# KiCad board hologram v3.kicad_pcb (continued)
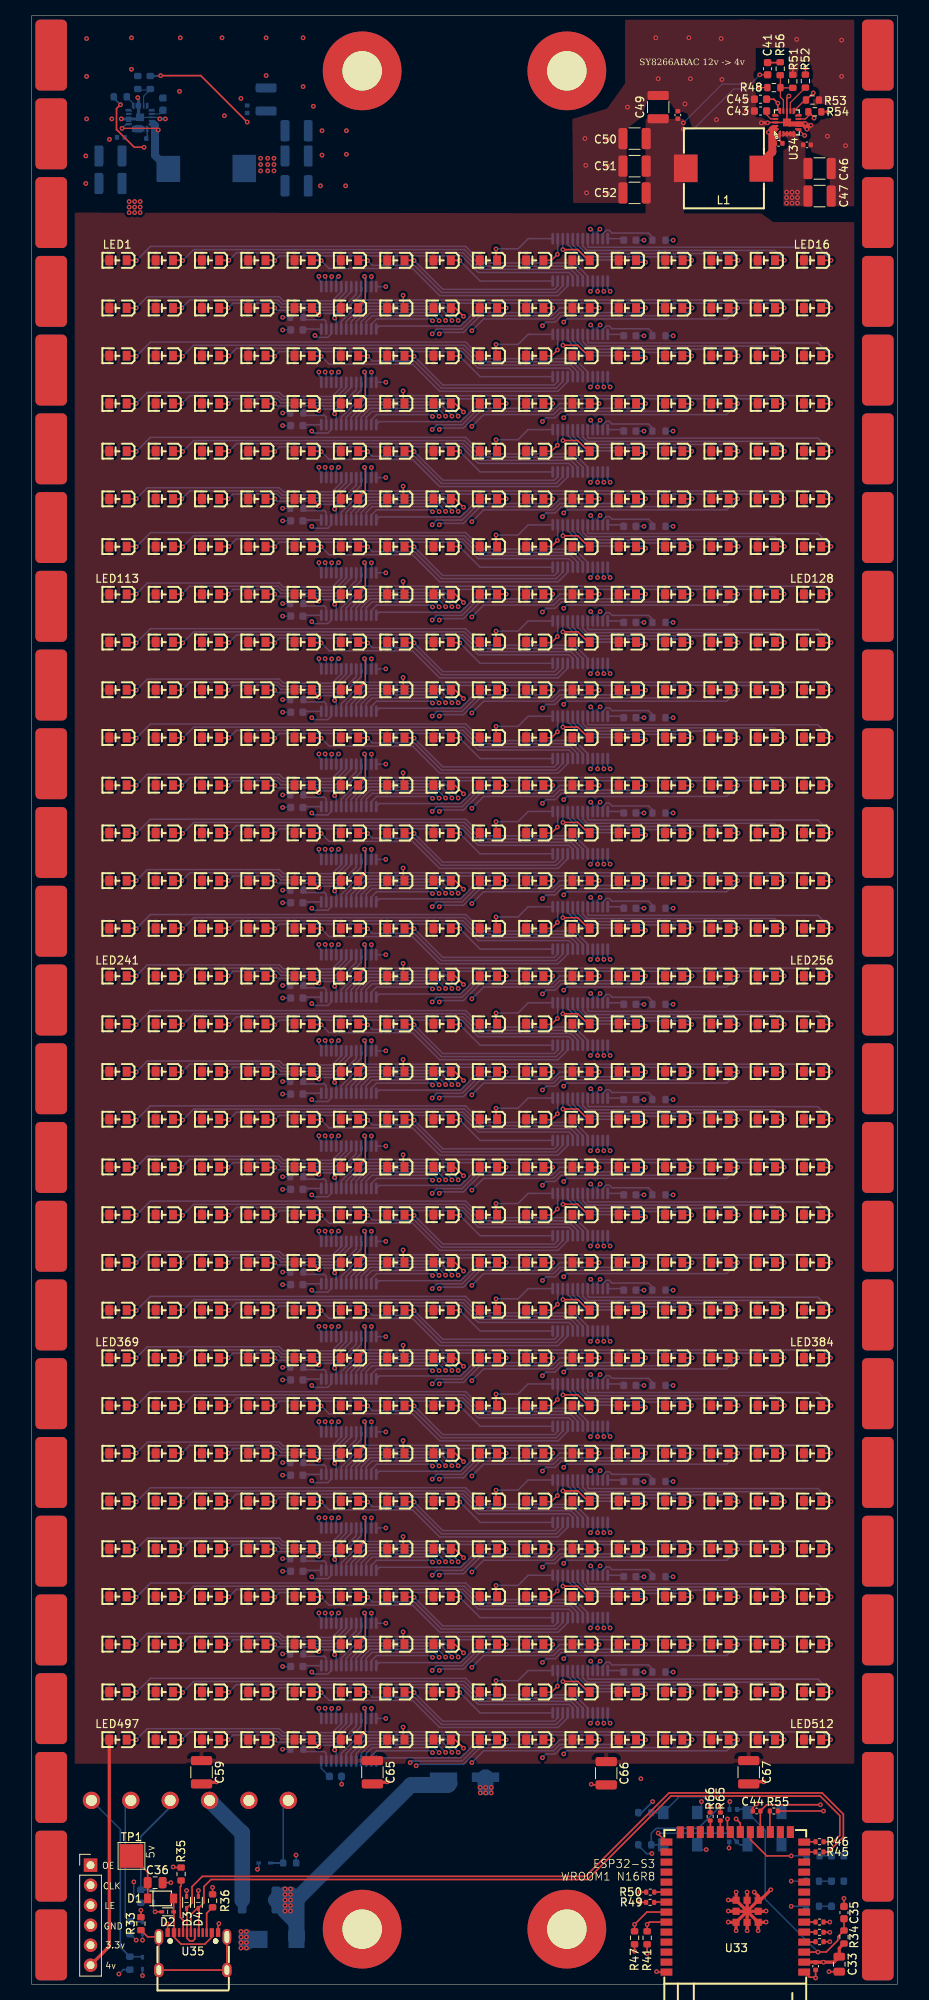
[diagram p0: board, top side]
## Routing (per net, layer and track width the routed paths; a pad name or vN(x,y) marks a point on that pad's centre or on a via; arc(x,y) is an arc through that point) (continued)
SDO-28: length 52.5
  In4.Cu w0.2: v1(35.6,51.75) 37.3,50.05 66.05,50.05 69.73,53.73 72.48,53.73 72.83,53.38 72.83,45.38 v1(72.7,45.25)
  Bottom w0.2: v1(72.7,45.25) 72.56,45.39 U29.2 ; v1(35.6,51.75) 35.84,51.51 37.64,51.51 38.08,51.95 U28.22
SDO-29: length 40.2
  In4.Cu w0.2: v1(72.23,53.13) 72.16,53.2 72.16,53.06 66.85,47.75 37.9,47.75 v1(37.3,47.15)
  Bottom w0.2: U30.2 37.44,47.01 v1(37.3,47.15) ; v1(72.23,53.13) 71.9,52.8 71.9,51.96 U29.22
SDO-30: length 52.5
  In4.Cu w0.2: v1(72.7,33.15) 72.83,33.28 72.83,41.28 72.48,41.63 69.73,41.63 66.05,37.95 37.3,37.95 v1(35.6,39.65)
  Bottom w0.2: v1(35.6,39.65) 35.84,39.41 37.64,39.41 38.08,39.85 U30.22 ; U31.2 72.56,33.29 v1(72.7,33.15)
SDO-31: length 40.2
  In4.Cu w0.2: v1(37.3,35.05) 37.9,35.65 66.85,35.65 72.16,40.96 72.16,41.1 v1(72.23,41.03)
  Bottom w0.2: v1(37.3,35.05) 37.44,34.91 U32.2 ; v1(72.23,41.03) 71.9,40.7 71.9,39.86 U31.22
SW_Boot: length 13.5
  Top w0.2: v1(79.6,19.2) 79.6,19.11 U33.27
  Bottom w0.2: v1(79.6,19.2) 88.48,19.2 C39.1 89.98,17.7 SW2.2
SW_Reset: length 30.9
  Top w0.2: U33.3 v1(99.9,4.09) 99.91,4.1 100.95,4.1 102.42,5.57 102.42,6.05 R34.2 C35.1
  Bottom w0.2: C38.1 90.54,22.2 SW1.2 93.2,19.54 93.2,10.79 v1(99.9,4.09)
USB_D+: length 101.2
  Top w0.2: D4.2 21.25,9.6 U35.8 ; D4.2 21.9,10.35 21.9,12.4 22.8,13.3 70.62,13.3 81.22,23.9 100.18,23.9 102.67,21.41 102.67,18.9 101.87,18.1 R46.2 ; D4.2 21.05,9.65 20.25,8.85 U35.6
USB_D-: length 103.9
  Top w0.2: R45.2 101.21,16.8 103.12,18.72 103.12,21.59 100.42,24.3 80.98,24.3 70.38,13.7 21.7,13.7 20.4,12.4 20.4,10.35 D3.2 19.75,9.6 U35.5 19.75,5.85 20.1,5.5 20.49,5.5 20.75,5.76 U35.7
Net-(C40-Pad2): length 12.7
  Top w0.15: v1(93.6,235.2) 94.15,235.2 U34.20 ; v1(98.2,234.8) 97.45,235.55 U34.6
  Top w1: L1.1 92.7,231.3 94.1,232.7 94.1,235.47 94.26,235.62
  Bottom w0.15: v1(98.2,234.8) 93.8,234.8 93.6,235 v1(93.6,235.2)
Net-(C41-Pad2): length 1.6
  Top w0.2: C41.2 95.05,244.05 R56.1
Net-(C56-Pad2): length 12.2
  Top w0.15: v1(16.1,235.5) 15.9,235.7 v1(11.5,235.7)
  Bottom w0.15: U36.6 12,236.2 v1(11.5,235.7)
  Bottom w1: 15.49,236.27 15.7,236.07 15.7,232.26 L2.1
Net-(D1-A): length 11
  Top w0.2: D1.2 18.05,10.89 D2.2 18.1,9.15 U35.2 18.1,6 19,5.1 22.02,5.1 22.9,5.98 U35.11
Net-(D1-K): length 6.3
  Top w0.2: D1.1 14.76,12.89 C36.1 14.75,14.25 TP1.1
Net-(D10-A): length 1.5
  Bottom w0.2: D10.2 R57.2 100.1,16.31
Net-(D11-A): length 1.6
  Bottom w0.2: R59.2 D11.2
Net-(D12-A): length 1.6
  Bottom w0.2: R60.2 D12.2
Net-(J2-Pin_1): length 9.8
  Bottom w0.2: D8.2 R40.2 31.98,22.71 J2.1
Net-(J2-Pin_3): length 14.4
  Bottom w2: J2.3 26.76,19.2 F1.2
Net-(LED1-K): length 61.7
  Top w0.2: 11.93,218.94 13.26,218.94 v1(13.3,218.9)
  Bottom w0.2: v1(13.3,218.9) 15.1,220.7 55.15,220.7 57.25,218.6 68.98,218.6 70.65,216.93 U1.5
Net-(LED2-K): length 54.8
  Top w0.2: 17.81,218.94 19.16,218.94 v1(19.2,218.9)
  Bottom w0.2: v1(19.2,218.9) 20.6,220.3 54.98,220.3 57.09,218.2 68.74,218.2 70.02,216.92 U1.6
Net-(LED3-K): length 47.9
  Top w0.2: v1(25.06,218.94) 23.7,218.94
  Bottom w0.2: v1(25.06,218.94) 26.02,219.9 54.82,219.9 56.92,217.8 68.51,217.8 69.38,216.93 U1.7
Net-(LED4-K): length 41.1
  Top w0.2: 29.58,218.94 30.86,218.94 v1(30.9,218.9)
  Bottom w0.2: v1(30.9,218.9) 31.5,219.5 54.65,219.5 56.75,217.4 68.27,217.4 68.75,216.92 U1.8
Net-(LED5-K): length 35.6
  Top w0.2: 35.46,218.94 36.76,218.94 v1(36.8,218.9)
  Bottom w0.2: U1.9 68.11,215.69 66.88,214.46 51.84,214.46 48.4,217.9 37.8,217.9 v1(36.8,218.9)
Net-(LED6-K): length 28.8
  Top w0.2: v1(42.7,218.9) 42.66,218.94 41.34,218.94
  Bottom w0.2: v1(42.7,218.9) 43.3,218.3 48.63,218.3 52.07,214.86 66.64,214.86 67.48,215.7 U1.10
Net-(LED7-K): length 21.9
  Top w0.2: 47.23,218.94 48.56,218.94 v1(48.6,218.9)
  Bottom w0.2: U1.11 66.84,215.69 66.41,215.26 52.24,215.26 v1(48.6,218.9)
Net-(LED8-K): length 14.2
  Top w0.2: 53.11,218.94 54.36,218.94 v1(54.4,218.9)
  Bottom w0.2: U1.12 56.99,216.31 v1(54.4,218.9)
Net-(LED9-K): length 9.2
  Top w0.2: v1(59,220.4) 59,218.95 58.99,218.94
  Bottom w0.2: U1.13 63.09,221.69 61.8,220.4 v1(59,220.4)
Net-(LED10-K): length 4.2
  Top w0.2: 64.87,218.94 66.04,218.94 v1(66.8,219.7)
  Bottom w0.2: U1.14 66.84,219.84 66.8,219.8 v1(66.8,219.7)
Net-(LED11-K): length 5.2
  Top w0.2: v1(67.5,220.3) 69.4,220.3 70.76,218.94
  Bottom w0.2: U1.15 67.5,221.67 v1(67.5,220.3)
Net-(LED12-K): length 13.1
  Top w0.2: v1(78,218.7) 76.88,218.7 76.64,218.94
  Bottom w0.2: v1(78,218.7) 78,218.9 77.9,219 70.09,219 68.11,220.97 U1.16
Net-(LED13-K): length 18.1
  Top w0.2: v1(83.86,218.94) 82.52,218.94
  Bottom w0.2: U1.17 68.75,220.9 70.25,219.4 83.4,219.4 v1(83.86,218.94)
Net-(LED14-K): length 23.4
  Top w0.2: v1(89.76,218.94) 88.4,218.94
  Bottom w0.2: v1(89.76,218.94) 88.9,219.8 70.42,219.8 69.38,220.84 U1.18
Net-(LED15-K): length 28.7
  Top w0.2: v1(95.64,218.94) 94.29,218.94
  Bottom w0.2: U1.19 70.02,220.76 70.58,220.2 94.38,220.2 v1(95.64,218.94)
Net-(LED16-K): length 34
  Top w0.2: v1(101.56,218.94) 100.17,218.94
  Bottom w0.2: U1.20 70.65,220.7 70.75,220.6 99.9,220.6 v1(101.56,218.94)
Net-(LED17-K): length 29.3
  Top w0.2: 11.93,212.88 13.28,212.88 v1(13.3,212.9)
  Bottom w0.2: U2.5 39.35,214.95 38.2,213.8 31.98,213.8 31.48,214.3 14.7,214.3 v1(13.3,212.9)
Net-(LED18-K): length 24.1
  Top w0.2: 17.81,212.88 19.08,212.88 v1(19.1,212.9)
  Bottom w0.2: v1(19.1,212.9) 20.1,213.9 30.48,213.9 30.48,213.9 31.32,213.9 31.82,213.4 38.41,213.4 39.98,214.97 U2.6
Net-(LED19-K): length 18.8
  Top w0.2: 23.7,212.88 24.98,212.88 v1(25,212.9)
  Bottom w0.2: v1(25,212.9) 25.6,213.5 30.65,213.5 30.65,213.5 31.15,213.5 31.65,213 38.64,213 40.62,214.98 U2.7
Net-(LED20-K): length 13.6
  Top w0.2: v1(30.9,212.9) 30.88,212.88 29.58,212.88
  Bottom w0.2: v1(30.9,212.9) 31.2,212.6 39.21,212.6 41.25,214.64 U2.8
Net-(LED21-K): length 8.8
  Top w0.2: 35.46,212.88 35.62,212.88 v1(36.5,212)
  Bottom w0.2: U2.9 41.89,214.64 39.45,212.2 36.7,212.2 v1(36.5,212)
Net-(LED22-K): length 5.9
  Top w0.2: v1(42.3,216.9) 42.4,216.8 42.4,213.93 41.34,212.88
  Bottom w0.2: U2.10 42.52,216.68 v1(42.3,216.9)
Net-(LED23-K): length 8.2
  Top w0.2: v1(47.2,214.5) 47.23,214.47 47.23,212.88
  In4.Cu w0.2: v1(47.2,214.5) 45.2,214.5 43.18,216.52 v1(43.18,216.88)
  Bottom w0.2: v1(43.18,216.88) 43.2,216.85 43.2,215.63 U2.11
Net-(LED24-K): length 14.9
  Top w0.2: v1(54.88,211.82) 53.82,212.88 53.11,212.88
  In4.Cu w0.2: v1(45,215.6) 51.1,215.6 v1(54.88,211.82)
  Bottom w0.2: U2.12 43.8,215.6 v1(45,215.6)
Net-(LED25-K): length 18.9
  Top w0.2: v1(60.3,212.9) 60.28,212.88 58.99,212.88
  Bottom w0.2: U2.13 44.18,210.6 51.53,210.6 51.53,210.6 52.03,210.6 52.03,210.6 54.5,210.6 56.8,212.9 v1(60.3,212.9)
Net-(LED26-K): length 28.6
  Top w0.2: 64.87,212.88 66.18,212.88 v1(66.2,212.9)
  In4.Cu w0.2: v1(50.94,211.26) 50.9,211.22 v1(50.9,209.6)
  Bottom w0.2: v1(50.9,209.6) 51.5,210.2 54.7,210.2 56.8,212.3 65.9,212.3 66.2,212.6 v1(66.2,212.9) ; U2.14 43.16,210.83 43.83,211.5 50.71,211.5 v1(50.94,211.26)
Net-(LED27-K): length 35.5
  Top w0.2: 70.76,212.88 72.08,212.88 v1(72.1,212.9)
  In4.Cu w0.2: v1(51.8,209.6) 51.8,211.25 v1(51.78,211.28)
  Bottom w0.2: U2.15 42.52,211.16 43.26,211.9 51.15,211.9 v1(51.78,211.28) ; v1(51.8,209.6) 51.98,209.78 54.87,209.78 56.97,211.88 56.97,211.9 66.1,211.9 67.1,212.9 v1(72.1,212.9)
Net-(LED28-K): length 41.1
  Top w0.2: v1(78,212.9) 77.98,212.88 76.64,212.88
  In4.Cu w0.2: v1(52.6,211.3) 52.6,211.2 53.8,210 v1(55.93,210)
  Bottom w0.2: U2.16 41.89,211.16 43.03,212.3 51.6,212.3 v1(52.6,211.3) ; v1(78,212.9) 77.4,212.3 67.1,212.3 66.3,211.5 57.43,211.5 v1(55.93,210)
Net-(LED29-K): length 47.5
  Top w0.2: v1(83.9,212.9) 83.88,212.88 82.52,212.88
  In4.Cu w0.2: v1(53.4,211.3) 53.4,211.25 53.97,210.68 64.85,210.68 v1(64.9,210.62)
  Bottom w0.2: v1(53.4,211.3) 53.42,211.32 53.42,211.38 52.1,212.7 42.79,212.7 41.25,211.16 U2.17 ; v1(64.9,210.62) 65.38,211.1 66.5,211.1 67.3,211.9 82.9,211.9 v1(83.9,212.9)
Net-(LED30-K): length 53.8
  Top w0.2: 88.4,212.88 89.68,212.88 v1(89.7,212.9)
  In4.Cu w0.2: v1(54.2,211.3) 54.28,211.22 67.48,211.22 v1(67.6,211.1)
  Bottom w0.2: v1(54.2,211.3) 54.2,211.4 52.5,213.1 42.56,213.1 40.62,211.16 U2.18 ; v1(89.7,212.9) 88.3,211.5 68,211.5 v1(67.6,211.1)
Net-(LED31-K): length 59.1
  Top w0.2: v1(95.6,212.9) 95.58,212.88 94.29,212.88
  Bottom w0.2: U2.19 39.98,211.16 42.32,213.5 95,213.5 v1(95.6,212.9)
Net-(LED32-K): length 66
  Top w0.2: 100.17,212.88 101.48,212.88 v1(101.5,212.9)
  Bottom w0.2: v1(101.5,212.9) 100.5,213.9 42.09,213.9 39.35,211.16 U2.20
Net-(LED33-K): length 61.7
  Top w0.2: 11.93,206.79 13.26,206.79 v1(13.3,206.75)
  Bottom w0.2: v1(13.3,206.75) 15.1,208.55 55.15,208.55 57.25,206.45 68.98,206.45 70.65,204.78 U3.5
Net-(LED34-K): length 54.8
  Top w0.2: v1(19.2,206.75) 19.16,206.79 17.81,206.79
  Bottom w0.2: U3.6 70.02,204.77 68.74,206.05 57.09,206.05 54.98,208.15 20.6,208.15 v1(19.2,206.75)
Net-(LED35-K): length 47.9
  Top w0.2: v1(25.06,206.79) 23.7,206.79
  Bottom w0.2: U3.7 69.38,204.78 68.51,205.65 56.92,205.65 54.82,207.75 26.02,207.75 v1(25.06,206.79)
Net-(LED36-K): length 41.1
  Top w0.2: 29.58,206.79 30.86,206.79 v1(30.9,206.75)
  Bottom w0.2: v1(30.9,206.75) 31.5,207.35 54.65,207.35 56.75,205.25 68.27,205.25 68.75,204.77 U3.8
Net-(LED37-K): length 35.6
  Top w0.2: 35.46,206.79 36.76,206.79 v1(36.8,206.75)
  Bottom w0.2: v1(36.8,206.75) 37.8,205.75 48.4,205.75 51.84,202.31 66.88,202.31 68.11,203.54 U3.9
Net-(LED38-K): length 28.8
  Top w0.2: v1(42.7,206.75) 42.66,206.79 41.34,206.79
  Bottom w0.2: v1(42.7,206.75) 43.3,206.15 48.63,206.15 52.07,202.71 66.64,202.71 67.48,203.55 U3.10
Net-(LED39-K): length 21.9
  Top w0.2: v1(48.6,206.75) 48.56,206.79 47.23,206.79
  Bottom w0.2: v1(48.6,206.75) 52.24,203.11 66.41,203.11 66.84,203.54 U3.11
Net-(LED40-K): length 14.2
  Top w0.2: v1(54.4,206.75) 54.36,206.79 53.11,206.79
  Bottom w0.2: v1(54.4,206.75) 56.99,204.16 U3.12
Net-(LED41-K): length 9.2
  Top w0.2: v1(59,208.25) 59,206.8 58.99,206.79
  Bottom w0.2: v1(59,208.25) 61.8,208.25 63.09,209.54 U3.13
Net-(LED42-K): length 4.2
  Top w0.2: 64.87,206.79 66.04,206.79 v1(66.8,207.55)
  Bottom w0.2: U3.14 66.84,207.69 66.8,207.65 v1(66.8,207.55)
Net-(LED43-K): length 5.9
  Top w0.2: v1(67.5,208.15) 69.4,208.15 70.76,206.79
  Bottom w0.2: 67.48,208.87 U3.15 67.5,209.52 v1(67.5,208.15)
Net-(LED44-K): length 13.1
  Top w0.2: 76.64,206.79 76.88,206.55 v1(78,206.55)
  Bottom w0.2: U3.16 68.11,208.82 70.09,206.85 77.9,206.85 78,206.75 v1(78,206.55)
Net-(LED45-K): length 18.1
  Top w0.2: v1(83.86,206.79) 82.52,206.79
  Bottom w0.2: v1(83.86,206.79) 83.4,207.25 70.25,207.25 68.75,208.75 U3.17
Net-(LED46-K): length 23.4
  Top w0.2: v1(89.76,206.79) 88.4,206.79
  Bottom w0.2: U3.18 69.38,208.69 70.42,207.65 88.9,207.65 v1(89.76,206.79)
Net-(LED47-K): length 28.7
  Top w0.2: v1(95.64,206.79) 94.29,206.79
  Bottom w0.2: v1(95.64,206.79) 94.38,208.05 70.58,208.05 70.02,208.61 U3.19
Net-(LED48-K): length 34
  Top w0.2: v1(101.56,206.79) 100.17,206.79
  Bottom w0.2: v1(101.56,206.79) 99.9,208.45 70.75,208.45 70.65,208.55 U3.20
Net-(LED49-K): length 29.3
  Top w0.2: v1(13.3,200.75) 13.28,200.73 11.93,200.73
  Bottom w0.2: v1(13.3,200.75) 14.7,202.15 31.48,202.15 31.98,201.65 38.2,201.65 39.35,202.8 U4.5
Net-(LED50-K): length 24.1
  Top w0.2: v1(19.1,200.75) 19.08,200.73 17.81,200.73
  Bottom w0.2: U4.6 39.98,202.82 38.41,201.25 31.82,201.25 31.32,201.75 30.48,201.75 30.48,201.75 20.1,201.75 v1(19.1,200.75)
Net-(LED51-K): length 18.8
  Top w0.2: 23.7,200.73 24.98,200.73 v1(25,200.75)
  Bottom w0.2: v1(25,200.75) 25.6,201.35 30.65,201.35 30.65,201.35 31.15,201.35 31.65,200.85 38.64,200.85 40.62,202.83 U4.7
Net-(LED52-K): length 13.6
  Top w0.2: v1(30.9,200.75) 30.88,200.73 29.58,200.73
  Bottom w0.2: U4.8 41.25,202.49 39.21,200.45 31.2,200.45 v1(30.9,200.75)
Net-(LED53-K): length 8.8
  Top w0.2: 35.46,200.73 35.62,200.73 v1(36.5,199.85)
  Bottom w0.2: U4.9 41.89,202.49 39.45,200.05 36.7,200.05 v1(36.5,199.85)
Net-(LED54-K): length 5.9
  Top w0.2: 41.34,200.73 42.4,201.79 42.4,204.65 v1(42.3,204.75)
  Bottom w0.2: v1(42.3,204.75) 42.52,204.53 U4.10
Net-(LED55-K): length 8.2
  Top w0.2: v1(47.2,202.35) 47.23,202.33 47.23,200.73
  In4.Cu w0.2: v1(43.18,204.73) 43.18,204.38 45.2,202.35 v1(47.2,202.35)
  Bottom w0.2: v1(43.18,204.73) 43.2,204.7 43.2,203.48 U4.11
Net-(LED56-K): length 14.9
  Top w0.2: 53.11,200.73 53.82,200.73 v1(54.88,199.68)
  In4.Cu w0.2: v1(54.88,199.68) 51.1,203.45 v1(45,203.45)
  Bottom w0.2: U4.12 43.8,203.45 v1(45,203.45)
Net-(LED57-K): length 18.9
  Top w0.2: 58.99,200.73 60.28,200.73 v1(60.3,200.75)
  Bottom w0.2: U4.13 44.18,198.45 51.53,198.45 51.53,198.45 52.03,198.45 52.03,198.45 54.5,198.45 56.8,200.75 v1(60.3,200.75)
Net-(LED58-K): length 28.6
  Top w0.2: 64.87,200.73 66.18,200.73 v1(66.2,200.75)
  In4.Cu w0.2: v1(50.94,199.12) 50.9,199.08 v1(50.9,197.45)
  Bottom w0.2: U4.14 43.16,198.68 43.83,199.35 50.71,199.35 v1(50.94,199.12) ; v1(66.2,200.75) 66.2,200.45 65.9,200.15 56.8,200.15 54.7,198.05 51.5,198.05 v1(50.9,197.45)
Net-(LED59-K): length 35.5
  Top w0.2: v1(72.1,200.75) 72.08,200.73 70.76,200.73
  In4.Cu w0.2: v1(51.78,199.13) 51.8,199.1 v1(51.8,197.45)
  Bottom w0.2: U4.15 42.52,199.01 43.26,199.75 51.15,199.75 v1(51.78,199.13) ; v1(51.8,197.45) 51.98,197.63 54.87,197.63 56.97,199.73 56.97,199.75 66.1,199.75 67.1,200.75 v1(72.1,200.75)
Net-(LED60-K): length 41.1
  Top w0.2: 76.64,200.73 77.98,200.73 v1(78,200.75)
  In4.Cu w0.2: v1(55.93,197.85) 53.8,197.85 52.6,199.05 v1(52.6,199.15)
  Bottom w0.2: v1(55.93,197.85) 57.43,199.35 66.3,199.35 67.1,200.15 77.4,200.15 v1(78,200.75) ; v1(52.6,199.15) 51.6,200.15 43.03,200.15 41.89,199.01 U4.16
Net-(LED61-K): length 47.5
  Top w0.2: v1(83.9,200.75) 83.88,200.73 82.52,200.73
  In4.Cu w0.2: v1(64.9,198.48) 64.85,198.53 53.97,198.53 53.4,199.1 v1(53.4,199.15)
  Bottom w0.2: v1(64.9,198.48) 65.38,198.95 66.5,198.95 67.3,199.75 82.9,199.75 v1(83.9,200.75) ; v1(53.4,199.15) 53.42,199.18 53.42,199.23 52.1,200.55 42.79,200.55 41.25,199.01 U4.17
Net-(LED62-K): length 53.8
  Top w0.2: v1(89.7,200.75) 89.68,200.73 88.4,200.73
  In4.Cu w0.2: v1(67.6,198.95) 67.48,199.08 54.28,199.08 v1(54.2,199.15)
  Bottom w0.2: U4.18 40.62,199.01 42.56,200.95 52.5,200.95 54.2,199.25 v1(54.2,199.15) ; v1(89.7,200.75) 88.3,199.35 68,199.35 v1(67.6,198.95)
Net-(LED63-K): length 59.1
  Top w0.2: v1(95.6,200.75) 95.58,200.73 94.29,200.73
  Bottom w0.2: v1(95.6,200.75) 95,201.35 42.32,201.35 39.98,199.01 U4.19
Net-(LED64-K): length 66
  Top w0.2: 100.17,200.73 101.48,200.73 v1(101.5,200.75)
  Bottom w0.2: U4.20 39.35,199.01 42.09,201.75 100.5,201.75 v1(101.5,200.75)
Net-(LED65-K): length 61.7
  Top w0.2: v1(13.3,194.65) 13.26,194.69 11.93,194.69
  Bottom w0.2: v1(13.3,194.65) 15.1,196.45 55.15,196.45 57.25,194.35 68.98,194.35 70.65,192.68 U5.5
Net-(LED66-K): length 54.8
  Top w0.2: 17.81,194.69 19.16,194.69 v1(19.2,194.65)
  Bottom w0.2: v1(19.2,194.65) 20.6,196.05 54.98,196.05 57.09,193.95 68.74,193.95 70.02,192.67 U5.6
Net-(LED67-K): length 47.9
  Top w0.2: v1(25.06,194.69) 23.7,194.69
  Bottom w0.2: U5.7 69.38,192.68 68.51,193.55 56.92,193.55 54.82,195.65 26.02,195.65 v1(25.06,194.69)
Net-(LED68-K): length 41.1
  Top w0.2: v1(30.9,194.65) 30.86,194.69 29.58,194.69
  Bottom w0.2: v1(30.9,194.65) 31.5,195.25 54.65,195.25 56.75,193.15 68.27,193.15 68.75,192.67 U5.8
Net-(LED69-K): length 35.6
  Top w0.2: 35.46,194.69 36.76,194.69 v1(36.8,194.65)
  Bottom w0.2: U5.9 68.11,191.44 66.88,190.21 51.84,190.21 48.4,193.65 37.8,193.65 v1(36.8,194.65)
Net-(LED70-K): length 28.8
  Top w0.2: 41.34,194.69 42.66,194.69 v1(42.7,194.65)
  Bottom w0.2: v1(42.7,194.65) 43.3,194.05 48.63,194.05 52.07,190.61 66.64,190.61 67.48,191.45 U5.10
Net-(LED71-K): length 21.9
  Top w0.2: v1(48.6,194.65) 48.56,194.69 47.23,194.69
  Bottom w0.2: U5.11 66.84,191.44 66.41,191.01 52.24,191.01 v1(48.6,194.65)
Net-(LED72-K): length 14.2
  Top w0.2: 53.11,194.69 54.36,194.69 v1(54.4,194.65)
  Bottom w0.2: v1(54.4,194.65) 56.99,192.06 U5.12
Net-(LED73-K): length 9.2
  Top w0.2: v1(59,196.15) 59,194.7 58.99,194.69
  Bottom w0.2: U5.13 63.09,197.44 61.8,196.15 v1(59,196.15)
Net-(LED74-K): length 4.2
  Top w0.2: 64.87,194.69 66.04,194.69 v1(66.8,195.45)
  Bottom w0.2: v1(66.8,195.45) 66.8,195.55 66.84,195.59 U5.14
Net-(LED75-K): length 5.9
  Top w0.2: v1(67.5,196.05) 69.4,196.05 70.76,194.69
  Bottom w0.2: v1(67.5,196.05) 67.5,197.42 U5.15 67.48,196.77
Net-(LED76-K): length 13.1
  Top w0.2: 76.64,194.69 76.88,194.45 v1(78,194.45)
  Bottom w0.2: U5.16 68.11,196.72 70.09,194.75 77.9,194.75 78,194.65 v1(78,194.45)
Net-(LED77-K): length 18.1
  Top w0.2: v1(83.86,194.69) 82.52,194.69
  Bottom w0.2: v1(83.86,194.69) 83.4,195.15 70.25,195.15 68.75,196.65 U5.17
Net-(LED78-K): length 23.4
  Top w0.2: v1(89.76,194.69) 88.4,194.69
  Bottom w0.2: v1(89.76,194.69) 88.9,195.55 70.42,195.55 69.38,196.59 U5.18
Net-(LED79-K): length 28.7
  Top w0.2: v1(95.64,194.69) 94.29,194.69
  Bottom w0.2: U5.19 70.02,196.51 70.58,195.95 94.38,195.95 v1(95.64,194.69)
Net-(LED80-K): length 34
  Top w0.2: v1(101.56,194.69) 100.17,194.69
  Bottom w0.2: v1(101.56,194.69) 99.9,196.35 70.75,196.35 70.65,196.45 U5.20
Net-(LED81-K): length 29.3
  Top w0.2: v1(13.3,188.65) 13.28,188.63 11.93,188.63
  Bottom w0.2: U6.5 39.35,190.7 38.2,189.55 31.98,189.55 31.48,190.05 14.7,190.05 v1(13.3,188.65)
Net-(LED82-K): length 24.1
  Top w0.2: v1(19.1,188.65) 19.08,188.63 17.81,188.63
  Bottom w0.2: U6.6 39.98,190.72 38.41,189.15 31.82,189.15 31.32,189.65 30.48,189.65 30.48,189.65 20.1,189.65 v1(19.1,188.65)
Net-(LED83-K): length 18.8
  Top w0.2: v1(25,188.65) 24.98,188.63 23.7,188.63
  Bottom w0.2: U6.7 40.62,190.73 38.64,188.75 31.65,188.75 31.15,189.25 30.65,189.25 30.65,189.25 25.6,189.25 v1(25,188.65)
Net-(LED84-K): length 13.6
  Top w0.2: 29.58,188.63 30.88,188.63 v1(30.9,188.65)
  Bottom w0.2: U6.8 41.25,190.39 39.21,188.35 31.2,188.35 v1(30.9,188.65)
Net-(LED85-K): length 8.8
  Top w0.2: v1(36.5,187.75) 35.62,188.63 35.46,188.63
  Bottom w0.2: v1(36.5,187.75) 36.7,187.95 39.45,187.95 41.89,190.39 U6.9
Net-(LED86-K): length 5.9
  Top w0.2: v1(42.3,192.65) 42.4,192.55 42.4,189.69 41.34,188.63
  Bottom w0.2: v1(42.3,192.65) 42.52,192.43 U6.10
Net-(LED87-K): length 8.2
  Top w0.2: v1(47.2,190.25) 47.23,190.23 47.23,188.63
  In4.Cu w0.2: v1(43.18,192.63) 43.18,192.28 45.2,190.25 v1(47.2,190.25)
  Bottom w0.2: v1(43.18,192.63) 43.2,192.6 43.2,191.38 U6.11
Net-(LED88-K): length 14.9
  Top w0.2: 53.11,188.63 53.82,188.63 v1(54.88,187.58)
  In4.Cu w0.2: v1(45,191.35) 51.1,191.35 v1(54.88,187.58)
  Bottom w0.2: v1(45,191.35) 43.8,191.35 U6.12
Net-(LED89-K): length 18.9
  Top w0.2: v1(60.3,188.65) 60.28,188.63 58.99,188.63
  Bottom w0.2: v1(60.3,188.65) 56.8,188.65 54.5,186.35 52.03,186.35 52.03,186.35 51.53,186.35 51.53,186.35 44.18,186.35 U6.13
Net-(LED90-K): length 28.6
  Top w0.2: 64.87,188.63 66.18,188.63 v1(66.2,188.65)
  In4.Cu w0.2: v1(50.94,187.02) 50.9,186.98 v1(50.9,185.35)
  Bottom w0.2: U6.14 43.16,186.58 43.83,187.25 50.71,187.25 v1(50.94,187.02) ; v1(66.2,188.65) 66.2,188.35 65.9,188.05 56.8,188.05 54.7,185.95 51.5,185.95 v1(50.9,185.35)
Net-(LED91-K): length 35.5
  Top w0.2: 70.76,188.63 72.08,188.63 v1(72.1,188.65)
  In4.Cu w0.2: v1(51.8,185.35) 51.8,187 v1(51.78,187.03)
  Bottom w0.2: U6.15 42.52,186.91 43.26,187.65 51.15,187.65 v1(51.78,187.03) ; v1(72.1,188.65) 67.1,188.65 66.1,187.65 56.97,187.65 56.97,187.63 54.87,185.53 51.98,185.53 v1(51.8,185.35)
Net-(LED92-K): length 41.1
  Top w0.2: 76.64,188.63 77.98,188.63 v1(78,188.65)
  In4.Cu w0.2: v1(52.6,187.05) 52.6,186.95 53.8,185.75 v1(55.93,185.75)
  Bottom w0.2: U6.16 41.89,186.91 43.03,188.05 51.6,188.05 v1(52.6,187.05) ; v1(55.93,185.75) 57.43,187.25 66.3,187.25 67.1,188.05 77.4,188.05 v1(78,188.65)
Net-(LED93-K): length 47.5
  Top w0.2: 82.52,188.63 83.88,188.63 v1(83.9,188.65)
  In4.Cu w0.2: v1(53.4,187.05) 53.4,187 53.97,186.43 64.85,186.43 v1(64.9,186.38)
  Bottom w0.2: v1(53.4,187.05) 53.42,187.08 53.42,187.13 52.1,188.45 42.79,188.45 41.25,186.91 U6.17 ; v1(83.9,188.65) 82.9,187.65 67.3,187.65 66.5,186.85 65.38,186.85 v1(64.9,186.38)
Net-(LED94-K): length 53.8
  Top w0.2: v1(89.7,188.65) 89.68,188.63 88.4,188.63
  In4.Cu w0.2: v1(67.6,186.85) 67.48,186.98 54.28,186.98 v1(54.2,187.05)
  Bottom w0.2: v1(54.2,187.05) 54.2,187.15 52.5,188.85 42.56,188.85 40.62,186.91 U6.18 ; v1(89.7,188.65) 88.3,187.25 68,187.25 v1(67.6,186.85)
Net-(LED95-K): length 59.1
  Top w0.2: 94.29,188.63 95.58,188.63 v1(95.6,188.65)
  Bottom w0.2: v1(95.6,188.65) 95,189.25 42.32,189.25 39.98,186.91 U6.19
Net-(LED96-K): length 66
  Top w0.2: 100.17,188.63 101.48,188.63 v1(101.5,188.65)
  Bottom w0.2: v1(101.5,188.65) 100.5,189.65 42.09,189.65 39.35,186.91 U6.20
Net-(LED97-K): length 61.7
  Top w0.2: v1(13.3,182.55) 13.26,182.59 11.93,182.59
  Bottom w0.2: v1(13.3,182.55) 15.1,184.35 55.15,184.35 57.25,182.25 68.98,182.25 70.65,180.58 U7.5
Net-(LED98-K): length 54.8
  Top w0.2: 17.81,182.59 19.16,182.59 v1(19.2,182.55)
  Bottom w0.2: v1(19.2,182.55) 20.6,183.95 54.98,183.95 57.09,181.85 68.74,181.85 70.02,180.57 U7.6
Net-(LED99-K): length 47.9
  Top w0.2: v1(25.06,182.59) 23.7,182.59
  Bottom w0.2: v1(25.06,182.59) 26.02,183.55 54.82,183.55 56.92,181.45 68.51,181.45 69.38,180.58 U7.7
Net-(LED100-K): length 41.1
  Top w0.2: v1(30.9,182.55) 30.86,182.59 29.58,182.59
  Bottom w0.2: U7.8 68.75,180.57 68.27,181.05 56.75,181.05 54.65,183.15 31.5,183.15 v1(30.9,182.55)
Net-(LED101-K): length 35.6
  Top w0.2: 35.46,182.59 36.76,182.59 v1(36.8,182.55)
  Bottom w0.2: U7.9 68.11,179.34 66.88,178.11 51.84,178.11 48.4,181.55 37.8,181.55 v1(36.8,182.55)
Net-(LED102-K): length 28.8
  Top w0.2: v1(42.7,182.55) 42.66,182.59 41.34,182.59
  Bottom w0.2: U7.10 67.48,179.35 66.64,178.51 52.07,178.51 48.63,181.95 43.3,181.95 v1(42.7,182.55)
Net-(LED103-K): length 21.9
  Top w0.2: 47.23,182.59 48.56,182.59 v1(48.6,182.55)
  Bottom w0.2: v1(48.6,182.55) 52.24,178.91 66.41,178.91 66.84,179.34 U7.11
Net-(LED104-K): length 14.2
  Top w0.2: 53.11,182.59 54.36,182.59 v1(54.4,182.55)
  Bottom w0.2: v1(54.4,182.55) 56.99,179.96 U7.12
Net-(LED105-K): length 9.2
  Top w0.2: 58.99,182.59 59,182.6 v1(59,184.05)
  Bottom w0.2: U7.13 63.09,185.34 61.8,184.05 v1(59,184.05)
Net-(LED106-K): length 4.2
  Top w0.2: v1(66.8,183.35) 66.04,182.59 64.87,182.59
  Bottom w0.2: v1(66.8,183.35) 66.8,183.45 66.84,183.49 U7.14
Net-(LED107-K): length 5.9
  Top w0.2: 70.76,182.59 69.4,183.95 v1(67.5,183.95)
  Bottom w0.2: v1(67.5,183.95) 67.5,185.32 U7.15 67.48,184.67
Net-(LED108-K): length 13.1
  Top w0.2: 76.64,182.59 76.88,182.35 v1(78,182.35)
  Bottom w0.2: U7.16 68.11,184.62 70.09,182.65 77.9,182.65 78,182.55 v1(78,182.35)
Net-(LED109-K): length 18.1
  Top w0.2: v1(83.86,182.59) 82.52,182.59
  Bottom w0.2: U7.17 68.75,184.55 70.25,183.05 83.4,183.05 v1(83.86,182.59)
Net-(LED110-K): length 23.4
  Top w0.2: v1(89.76,182.59) 88.4,182.59
  Bottom w0.2: U7.18 69.38,184.49 70.42,183.45 88.9,183.45 v1(89.76,182.59)
Net-(LED111-K): length 28.7
  Top w0.2: v1(95.64,182.59) 94.29,182.59
  Bottom w0.2: U7.19 70.02,184.41 70.58,183.85 94.38,183.85 v1(95.64,182.59)
Net-(LED112-K): length 34
  Top w0.2: v1(101.56,182.59) 100.17,182.59
  Bottom w0.2: U7.20 70.65,184.35 70.75,184.25 99.9,184.25 v1(101.56,182.59)
Net-(LED113-K): length 29.3
  Top w0.2: 11.93,176.53 13.28,176.53 v1(13.3,176.55)
  Bottom w0.2: U8.5 39.35,178.6 38.2,177.45 31.98,177.45 31.48,177.95 14.7,177.95 v1(13.3,176.55)
Net-(LED114-K): length 24.1
  Top w0.2: v1(19.1,176.55) 19.08,176.53 17.81,176.53
  Bottom w0.2: U8.6 39.98,178.62 38.41,177.05 31.82,177.05 31.32,177.55 30.48,177.55 30.48,177.55 20.1,177.55 v1(19.1,176.55)
Net-(LED115-K): length 18.8
  Top w0.2: 23.7,176.53 24.98,176.53 v1(25,176.55)
  Bottom w0.2: v1(25,176.55) 25.6,177.15 30.65,177.15 30.65,177.15 31.15,177.15 31.65,176.65 38.64,176.65 40.62,178.63 U8.7
Net-(LED116-K): length 13.6
  Top w0.2: v1(30.9,176.55) 30.88,176.53 29.58,176.53
  Bottom w0.2: U8.8 41.25,178.29 39.21,176.25 31.2,176.25 v1(30.9,176.55)
Net-(LED117-K): length 8.8
  Top w0.2: v1(36.5,175.65) 35.62,176.53 35.46,176.53
  Bottom w0.2: U8.9 41.89,178.29 39.45,175.85 36.7,175.85 v1(36.5,175.65)
Net-(LED118-K): length 5.9
  Top w0.2: v1(42.3,180.55) 42.4,180.45 42.4,177.59 41.34,176.53
  Bottom w0.2: U8.10 42.52,180.33 v1(42.3,180.55)
Net-(LED119-K): length 8.2
  Top w0.2: v1(47.2,178.15) 47.23,178.13 47.23,176.53
  In4.Cu w0.2: v1(43.18,180.53) 43.18,180.18 45.2,178.15 v1(47.2,178.15)
  Bottom w0.2: U8.11 43.2,179.28 43.2,180.5 v1(43.18,180.53)
Net-(LED120-K): length 14.9
  Top w0.2: v1(54.88,175.48) 53.82,176.53 53.11,176.53
  In4.Cu w0.2: v1(45,179.25) 51.1,179.25 v1(54.88,175.48)
  Bottom w0.2: v1(45,179.25) 43.8,179.25 U8.12
Net-(LED121-K): length 18.9
  Top w0.2: 58.99,176.53 60.28,176.53 v1(60.3,176.55)
  Bottom w0.2: v1(60.3,176.55) 56.8,176.55 54.5,174.25 52.03,174.25 52.03,174.25 51.53,174.25 51.53,174.25 44.18,174.25 U8.13
Net-(LED122-K): length 28.6
  Top w0.2: v1(66.2,176.55) 66.18,176.53 64.87,176.53